# Allegro board Learn.brd (continued)
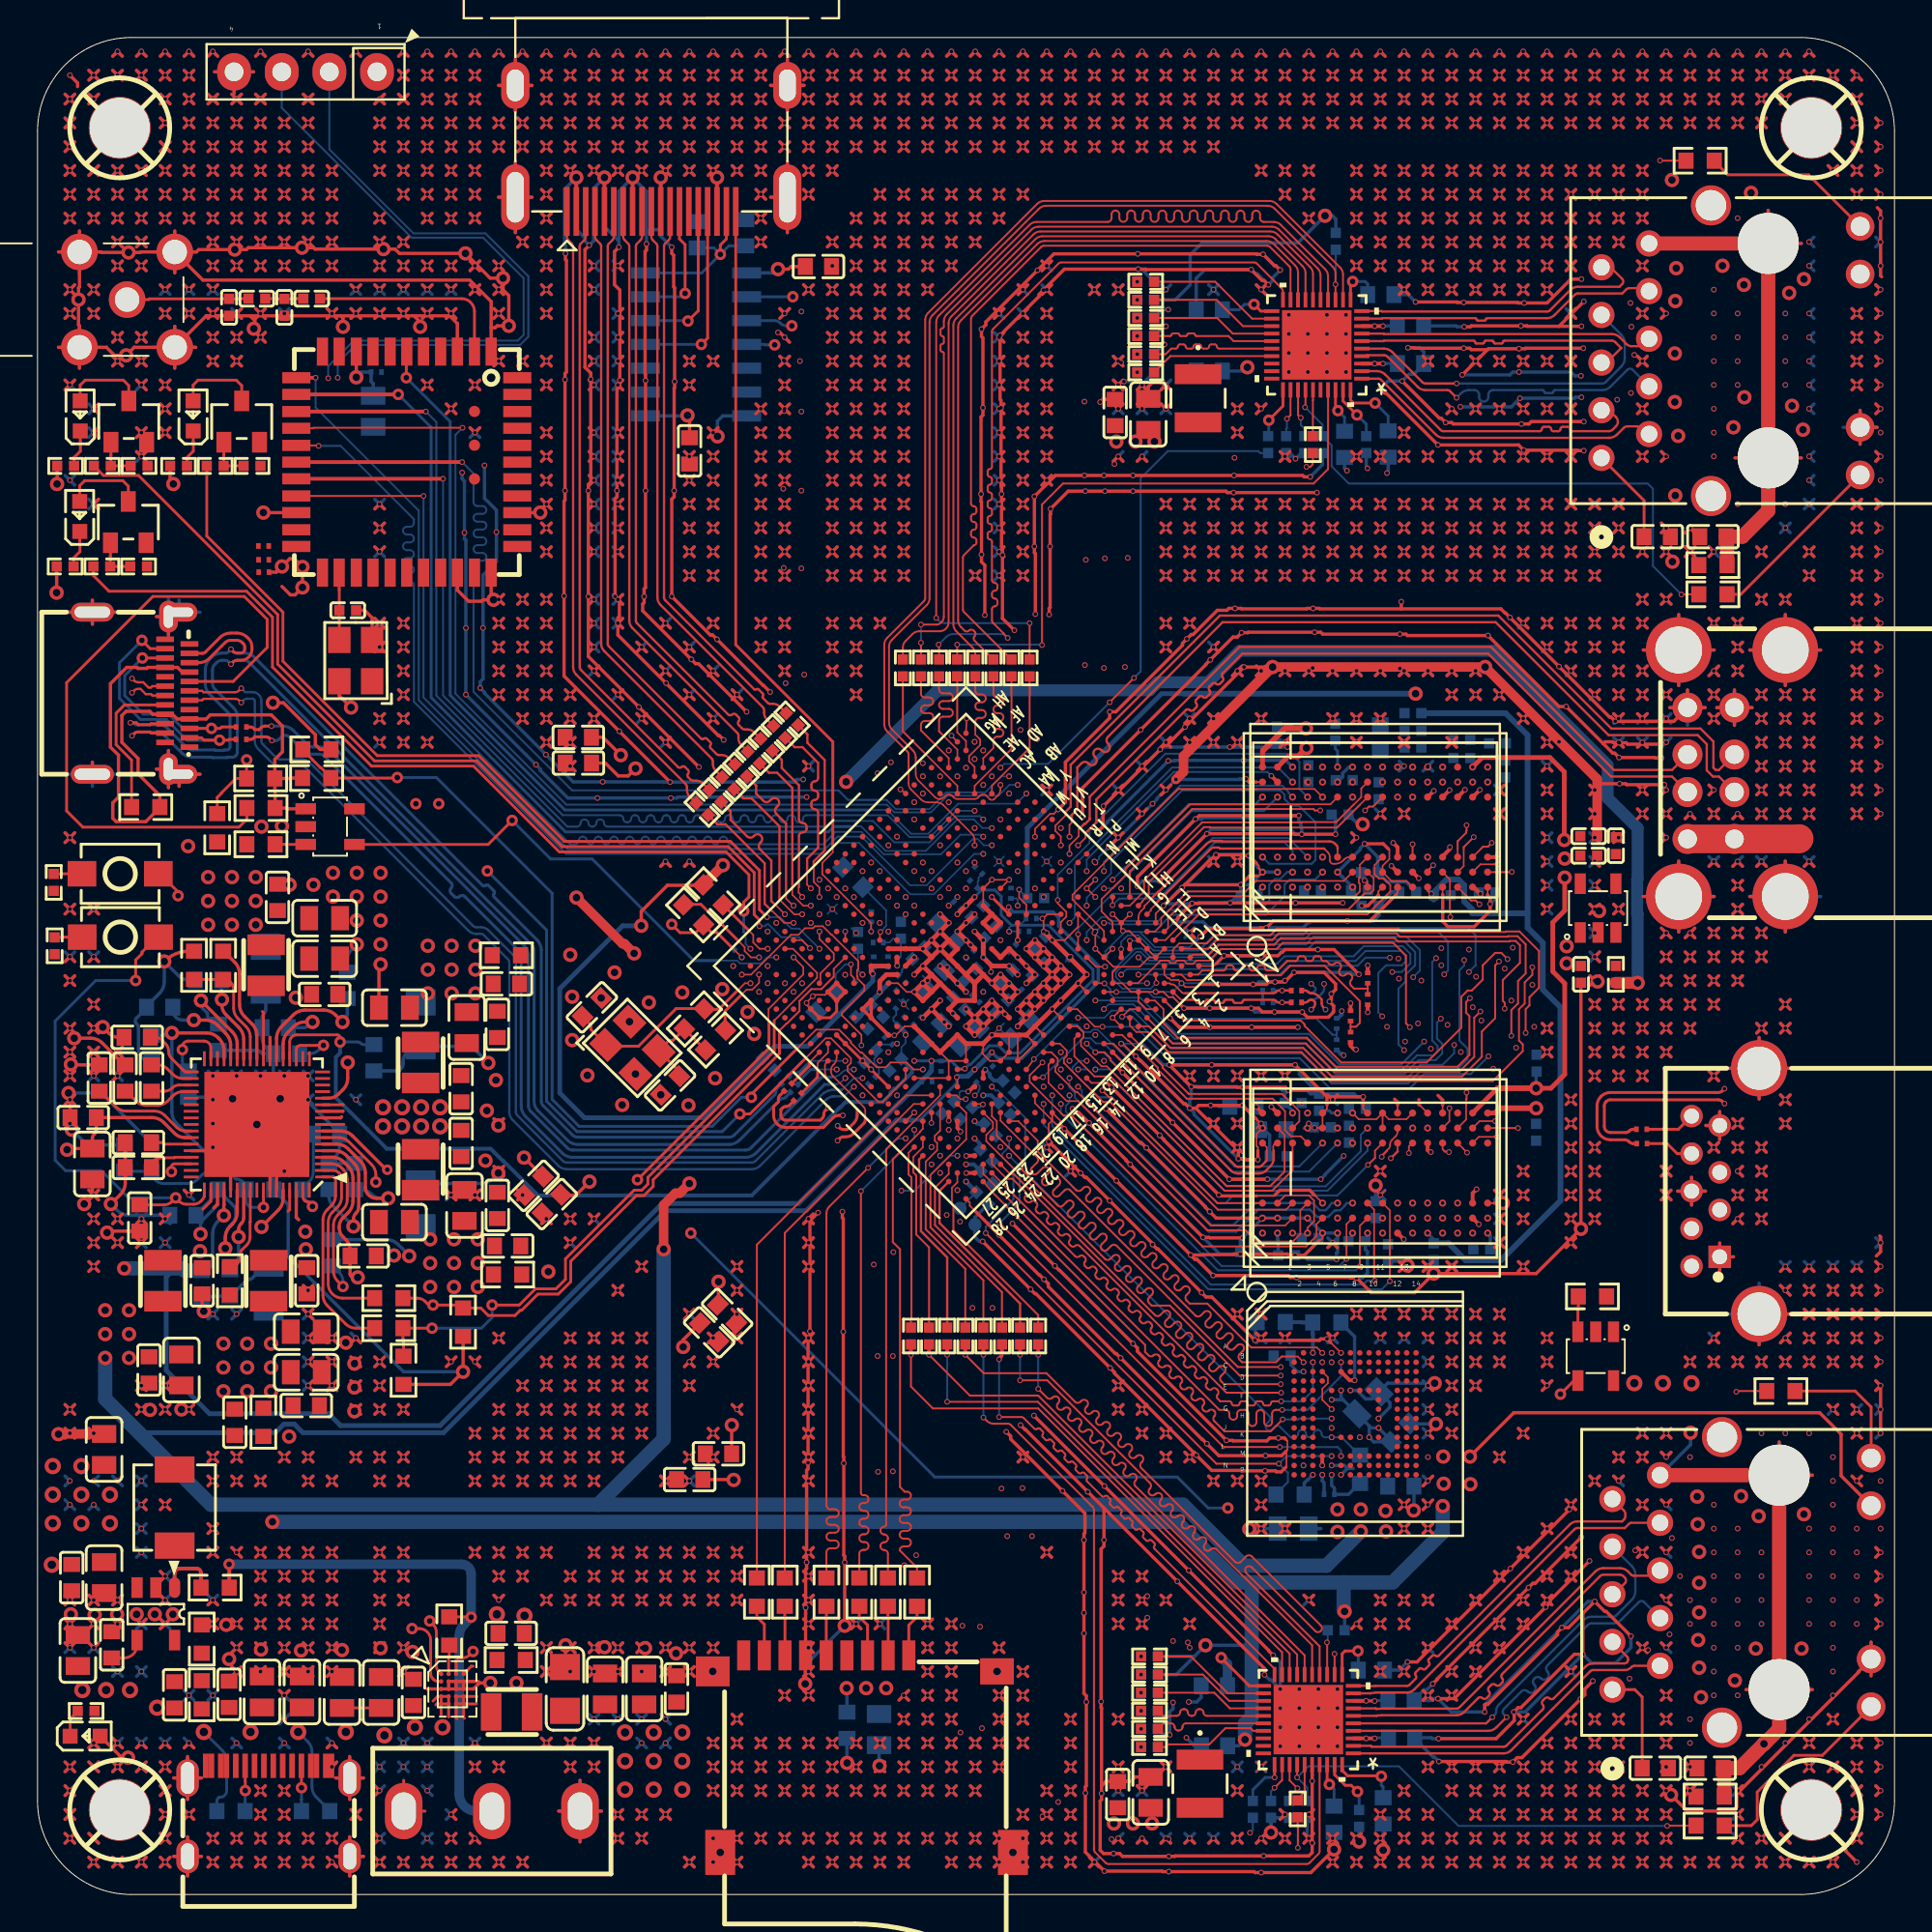
[diagram p0: board, top side]
## Placement (name value [footprint] x y rotation side) (continued)
R99  22R  [R0402]  59.07 81.14 180 top
R100  4.7K  [R0402]  59.07 83.07 0 bottom
R101  22R  [R0402]  59.07 83.07 180 top
R102  4.7K  [R0402]  59.07 84.04 0 bottom
R103  22R  [R0402]  59.07 84.04 180 top
R104  4.7K  [R0402]  59.07 85 0 bottom
R105  22R  [R0402]  59.07 85 180 top
R106  4.7K  [R0402]  59.07 85.97 0 bottom
R107  22R  [R0402]  59.07 85.97 180 top
R108  4.7K  [R0402]  59.07 82.11 0 bottom
R109  22R  [R0402]  59.07 82.11 180 top
R110  1.5K  [R0402]  69.2 88.12 90 bottom
R111  4.7K  [R0402]  66.56 77.28 270 bottom
R112  4.7K  [R0402]  67.53 77.28 270 bottom
R113  4.7K  [R0402]  68.49 77.28 270 bottom
R114  22R  [R0402]  67.98 77.28 270 top
R115  2.49K  [R0402]  70.83 77.28 270 bottom
R116  0R  [R0402]  65.59 77.28 270 bottom
R117  470R  [R0603]  89.31 69.3 0 top
R118  22R  [R0603]  89.31 70.86 180 top
R119  470R  [R0603]  88.62 92.42 0 top
R120  2.2R  [R0402]  35.43 57.86 315 top
R121  2.2R  [R0402]  36.13 58.56 315 top
R122  2.2R  [R0402]  36.81 59.24 315 top
R123  2.2R  [R0402]  37.49 59.92 315 top
R124  2.2R  [R0402]  38.18 60.61 315 top
R125  2.2R  [R0402]  38.86 61.29 315 top
R126  2.2R  [R0402]  39.54 61.97 315 top
R127  2.2R  [R0402]  40.22 62.65 315 top
R128  1.62K  [R0603]  43.47 54.23 315 bottom
R129  5.1K  [R0603]  11.91 57.91 0 top
R130  5.1K  [R0603]  5.77 57.96 0 top
R131  4.7K  [R0603]  11.91 55.98 180 top
R132  4.7K  [R0603]  82.88 31.88 0 top
R133  10K  [R0603]  14.88 59.51 180 top
R134  10K  [R0603]  14.89 61.04 0 top
R135  10K  [R0603]  11.9 59.49 0 top
R136  10K  [R0603]  9.58 56.86 270 top
R137  1K  [R0402]  1.47 70.79 0 top
R138  1K  [R0402]  7.52 76.15 0 top
R139  10K  [R0402]  3.43 70.79 0 top
R140  10K  [R0402]  9.47 76.15 0 top
R141  51K  [R0402]  5.39 70.79 0 top
R142  51K  [R0402]  11.43 76.15 0 top
R143  1K  [R0402]  1.5 76.15 0 top
R144  10K  [R0402]  3.45 76.15 0 top
R145  51K  [R0402]  5.41 76.15 0 top
R146  10K  [R0402]  0.86 53.95 90 top
R147  10K  [R0402]  0.91 50.57 90 top
SW1  SW KEY-SPDT  [KEY_3P]  24.22 4.45 0 top
SW2  KEY  [KEY_SMD_3X4X2]  4.4 54.41 0 top
SW3  KEY  [KEY_SMD_3X4X2]  4.42 51.03 0 top
TP1  T POINT R  [TP_0R70]  49.17 36.57 180 bottom
TP2  T POINT R  [TP_0R70]  49.97 35.71 180 bottom
U1  Type_C_16P  [USBSMD16P]  12.19 4.45 0 top
U2  SY8089  [SOT23-5]  7.31 16.36 270 top
U3  TCS4525  [CSP20_1R96X1R56X0R66]  22.11 10.96 0 top
U4  PMIC_RK809  [QFN68_7R00X7R00X0R80_T]  11.69 41.05 180 top
U5  SOC_RK3568  [BGA636_1]  49.49 49.49 225 top
U6  DDR4_16bit_SDP  [FBGA96_14R00X11R00X1R20]  71.3 56.9 90 top
U7  DDR4_16bit_SDP  [FBGA96_14R00X11R00X1R20]  71.3 38.45 90 top
U8  PT5108E23E-25  [SOT_23_5]  83.19 52.58 270 top
U9  EMMC_153_2L  [BGA153_13RX11R5X0R9_2L]  70.23 25.62 0 top
U10  MiniSD  [MINISD]  43.99 7.49 270 top
U11  ETH_RTL8211  [QFN40_5R00X5R00X0R80_T]  67.74 9.32 180 top
U12  HR911130A  [RJ45_HR911130A]  83.95 10.92 90 top
U13  ETH_RTL8211  [QFN40_5R00X5R00X0R80_T]  68.19 82.6 180 top
U14  HR911130A  [RJ45_HR911130A]  83.36 76.58 90 top
U15  MODULE_AP6XXX  [MD44_AP6XXX]  19.68 76.35 270 top
U16  TXS0104  [TSSOP14]  35.1 82.63 180 bottom
U17  Type_C_24P  [USBSMD24P]  5.51 64.03 270 top
U18  SWITCH_SY6280  [SOT_23_5]  15.6 56.92 180 top
U19  Type_A*2_4*2  [USB_A_2]  90.32 59.77 270 top
U20  SWITCH_SY6280  [SOT_23_5]  83.06 28.69 90 top
U21  Type_A_9P  [USB_A_9P]  89.97 37.49 90 top
U22  -  [KH-SMA]  2.24 82.47 0 top
Y1  24MHZ  [SMD3225]  31.71 45.13 315 top
Y2  oscillator  [SMD3225]  16.96 65.77 90 top

## Library data of the parts
C1-C96 C141-C232 = CAPACITOR NON-POL
C97-C140 = CAP NP
J1 = HDMI_TYPE_A_0
J2 = HEADER 4_1
L1-L7 = INDUCTOR: Tolerance: .TOL; User Part Number: .PARTNO
L8 L9 = INDUCTOR: User Part Number: PN; Tolerance: TOL
LED1-LED4 = LED: Tolerance: .TOL; User Part Number: .PARTNO
M1-M4 = M: Tolerance: .TOL; User Part Number: .PARTNO
Q1-Q3 = NPN
R1 R2 R4-R8 R11 R12 R15 R16 R18-R22 R24 R25 R43-R59 R87-R89 R117-R119 R128-R136 = R: Tolerance: .TOL; User Part Number: .PARTNO
R3 R27-R42 R137-R147 = RESISTOR
R26 R60-R86 R90-R116 R120-R127 = R
SW1 = SW KEY-SPDT_0: Tolerance: .TOL; User Part Number: .PARTNO
SW2 SW3 = SW KEY-SPST: Tolerance: .TOL; User Part Number: .PARTNO
TP1 TP2 = T POINT R
U1 = Type_C_16P: Tolerance: .TOL; User Part Number: .PARTNO
U2 = SY8089
U3 = TCS4525
U4 = PMIC_RK809
U5 = SOC_RK3568
U6 U7 = DDR4_2
U8 = LDO_PT5108: Tolerance: .TOL; User Part Number: .PARTNO
U9 = EMMC_153_2L
U10 = MiniSD: Tolerance: .TOL; User Part Number: .PARTNO
U11 U13 = ETH_RTL8211: User Part Number: PN; Tolerance: TOL
U12 U14 = HR911130A: User Part Number: PN; Tolerance: TOL
U15 = MODULE_AP6XXX: Tolerance: .TOL; User Part Number: .PARTNO
U16 = TXS0104: Tolerance: TOL; User Part Number: PN
U17 = Type_C_1: Tolerance: .TOL; User Part Number: .PARTNO
U18 U20 = SWITCH_SY6280: Tolerance: .TOL; User Part Number: .PARTNO
U19 = Type_A*2_4*2: Tolerance: .TOL; User Part Number: .PARTNO
U21 = Type_A_9P: Tolerance: .TOL; User Part Number: .PARTNO
U22 = KH-SMA
Y1 = CRYSTAL1-4/SM_0: Tolerance: .TOL; User Part Number: .PARTNO
Y2 = oscillator: Tolerance: .TOL; User Part Number: .PARTNO

## Footprints (pads in the part's own frame, mm; a bottom-side part is the same pattern mirrored in y, then rotated)
BGA153_13RX11R5X0R9_2L
  round 0.3 smd: A2(-2.75,3.25) A3(-2.25,3.25) A4(-1.75,3.25) A5(-1.25,3.25) A6(-0.75,3.25) A7(-0.25,3.25) A8(0.25,3.25) A9(0.75,3.25) A10(1.25,3.25) A11(1.75,3.25) A12(2.25,3.25) A13(2.75,3.25) A14(3.25,3.25) B1(-3.25,2.75) B2(-2.75,2.75) B3(-2.25,2.75) B4(-1.75,2.75) B5(-1.25,2.75) B6(-0.75,2.75) B7(-0.25,2.75) B8(0.25,2.75) B9(0.75,2.75) B10(1.25,2.75) B11(1.75,2.75) B12(2.25,2.75) B13(2.75,2.75) B14(3.25,2.75) C1(-3.25,2.25) C2(-2.75,2.25) C3(-2.25,2.25) C4(-1.75,2.25) C6(-0.75,2.25) C7(-0.25,2.25) C8(0.25,2.25) C9(0.75,2.25) C10(1.25,2.25) C11(1.75,2.25) C12(2.25,2.25) C13(2.75,2.25) C14(3.25,2.25) D1(-3.25,1.75) D2(-2.75,1.75) D3(-2.25,1.75) D4(-1.75,1.75) D12(2.25,1.75) D13(2.75,1.75) D14(3.25,1.75) E1(-3.25,1.25) E2(-2.75,1.25) E3(-2.25,1.25) E5(-1.25,1.25) E6(-0.75,1.25) E7(-0.25,1.25) E8(0.25,1.25) E9(0.75,1.25) E10(1.25,1.25) E12(2.25,1.25) E13(2.75,1.25) E14(3.25,1.25) F1(-3.25,0.75) F2(-2.75,0.75) F3(-2.25,0.75) F5(-1.25,0.75) F10(1.25,0.75) F12(2.25,0.75) F13(2.75,0.75) F14(3.25,0.75) G1(-3.25,0.25) G2(-2.75,0.25) G3(-2.25,0.25) G5(-1.25,0.25) G10(1.25,0.25) G12(2.25,0.25) G13(2.75,0.25) G14(3.25,0.25) H1(-3.25,-0.25) H2(-2.75,-0.25) H3(-2.25,-0.25) H5(-1.25,-0.25) H10(1.25,-0.25) H12(2.25,-0.25) H13(2.75,-0.25) H14(3.25,-0.25) J1(-3.25,-0.75) J2(-2.75,-0.75) J3(-2.25,-0.75) J5(-1.25,-0.75) J10(1.25,-0.75) J12(2.25,-0.75) J13(2.75,-0.75) J14(3.25,-0.75) K1(-3.25,-1.25) K2(-2.75,-1.25) K3(-2.25,-1.25) K5(-1.25,-1.25) K6(-0.75,-1.25) K7(-0.25,-1.25) K8(0.25,-1.25) K9(0.75,-1.25) K10(1.25,-1.25) K12(2.25,-1.25) K13(2.75,-1.25) K14(3.25,-1.25) L1(-3.25,-1.75) L2(-2.75,-1.75) L3(-2.25,-1.75) L12(2.25,-1.75) L13(2.75,-1.75) L14(3.25,-1.75) M1(-3.25,-2.25) M2(-2.75,-2.25) M3(-2.25,-2.25) M4(-1.75,-2.25) M5(-1.25,-2.25) M6(-0.75,-2.25) M7(-0.25,-2.25) M8(0.25,-2.25) M9(0.75,-2.25) M10(1.25,-2.25) M11(1.75,-2.25) M12(2.25,-2.25) M13(2.75,-2.25) M14(3.25,-2.25) N1(-3.25,-2.75) N2(-2.75,-2.75) N3(-2.25,-2.75) N4(-1.75,-2.75) N5(-1.25,-2.75) N6(-0.75,-2.75) N7(-0.25,-2.75) N8(0.25,-2.75) N9(0.75,-2.75) N10(1.25,-2.75) N11(1.75,-2.75) N12(2.25,-2.75) N13(2.75,-2.75) N14(3.25,-2.75) P1(-3.25,-3.25) P2(-2.75,-3.25) P3(-2.25,-3.25) P4(-1.75,-3.25) P5(-1.25,-3.25) P6(-0.75,-3.25) P7(-0.25,-3.25) P8(0.25,-3.25) P9(0.75,-3.25) P10(1.25,-3.25) P11(1.75,-3.25) P12(2.25,-3.25) P13(2.75,-3.25) P14(3.25,-3.25)
BGA636_1
  round 0.3 smd: A1(-8.775,8.775) A2(-8.125,8.775) A3(-7.475,8.775) A4(-6.825,8.775) A5(-6.175,8.775) A6(-5.525,8.775) A7(-4.875,8.775) A8(-4.225,8.775) A9(-3.575,8.775) A10(-2.925,8.775) A11(-2.275,8.775) A12(-1.625,8.775) A13(-0.975,8.775) A14(-0.325,8.775) A15(0.325,8.775) A16(0.975,8.775) A17(1.625,8.775) A18(2.275,8.775) A19(2.925,8.775) A20(3.575,8.775) A21(4.225,8.775) A22(4.875,8.775) A23(5.525,8.775) A24(6.175,8.775) A25(6.825,8.775) A26(7.475,8.775) A27(8.125,8.775) A28(8.775,8.775) AA1(-8.775,-4.225) AA2(-8.125,-4.225) AA3(-7.475,-4.225) AA4(-6.825,-4.225) AA5(-6.175,-4.225) AA6(-5.525,-4.225) AA7(-4.875,-4.225) AA9(-3.575,-4.225) AA11(-2.275,-4.225) AA12(-1.625,-4.225) AA14(-0.325,-4.225) AA15(0.325,-4.225) AA17(1.625,-4.225) AA18(2.275,-4.225) AA20(3.575,-4.225) AA22(4.875,-4.225) AA23(5.525,-4.225) AA24(6.175,-4.225) AA25(6.825,-4.225) AA26(7.475,-4.225) AA27(8.125,-4.225) AA28(8.775,-4.225) AB1(-8.775,-4.875) AB2(-8.125,-4.875) AB5(-6.175,-4.875) AB6(-5.525,-4.875) AB8(-4.225,-4.875) AB9(-3.575,-4.875) AB11(-2.275,-4.875) AB12(-1.625,-4.875) AB14(-0.325,-4.875) AB15(0.325,-4.875) AB17(1.625,-4.875) AB18(2.275,-4.875) AB20(3.575,-4.875) AB21(4.225,-4.875) AB23(5.525,-4.875) AB24(6.175,-4.875) AB27(8.125,-4.875) AB28(8.775,-4.875) AC1(-8.775,-5.525) AC2(-8.125,-5.525) AC3(-7.475,-5.525) AC4(-6.825,-5.525) AC5(-6.175,-5.525) AC7(-4.875,-5.525) AC8(-4.225,-5.525) AC9(-3.575,-5.525) AC11(-2.275,-5.525) AC12(-1.625,-5.525) AC14(-0.325,-5.525) AC15(0.325,-5.525) AC17(1.625,-5.525) AC18(2.275,-5.525) AC20(3.575,-5.525) AC21(4.225,-5.525) AC22(4.875,-5.525) AC24(6.175,-5.525) AC25(6.825,-5.525) AC26(7.475,-5.525) AC27(8.125,-5.525) AC28(8.775,-5.525) AD1(-8.775,-6.175) AD2(-8.125,-6.175) AD3(-7.475,-6.175) AD4(-6.825,-6.175) AD6(-5.525,-6.175) AD7(-4.875,-6.175) AD8(-4.225,-6.175) AD9(-3.575,-6.175) AD11(-2.275,-6.175) AD12(-1.625,-6.175) AD14(-0.325,-6.175) AD15(0.325,-6.175) AD17(1.625,-6.175) AD18(2.275,-6.175) AD20(3.575,-6.175) AD21(4.225,-6.175) AD22(4.875,-6.175) AD23(5.525,-6.175) AD25(6.825,-6.175) AD26(7.475,-6.175) AD27(8.125,-6.175) AD28(8.775,-6.175) AE1(-8.775,-6.825) AE2(-8.125,-6.825) AE3(-7.475,-6.825) AE5(-6.175,-6.825) AE6(-5.525,-6.825) AE8(-4.225,-6.825) AE9(-3.575,-6.825) AE11(-2.275,-6.825) AE12(-1.625,-6.825) AE14(-0.325,-6.825) AE15(0.325,-6.825) AE17(1.625,-6.825) AE18(2.275,-6.825) AE20(3.575,-6.825) AE21(4.225,-6.825) AE23(5.525,-6.825) AE24(6.175,-6.825) AE26(7.475,-6.825) AE27(8.125,-6.825) AE28(8.775,-6.825) AF1(-8.775,-7.475) AF2(-8.125,-7.475) AF3(-7.475,-7.475) AF4(-6.825,-7.475) AF5(-6.175,-7.475) AF6(-5.525,-7.475) AF8(-4.225,-7.475) AF9(-3.575,-7.475) AF11(-2.275,-7.475) AF12(-1.625,-7.475) AF14(-0.325,-7.475) AF15(0.325,-7.475) AF17(1.625,-7.475) AF18(2.275,-7.475) AF20(3.575,-7.475) AF21(4.225,-7.475) AF23(5.525,-7.475) AF24(6.175,-7.475) AF25(6.825,-7.475) AF26(7.475,-7.475) AF27(8.125,-7.475) AF28(8.775,-7.475) AG1(-8.775,-8.125) AG2(-8.125,-8.125) AG3(-7.475,-8.125) AG4(-6.825,-8.125) AG5(-6.175,-8.125) AG6(-5.525,-8.125) AG7(-4.875,-8.125) AG8(-4.225,-8.125) AG9(-3.575,-8.125) AG10(-2.925,-8.125) AG11(-2.275,-8.125) AG12(-1.625,-8.125) AG13(-0.975,-8.125) AG14(-0.325,-8.125) AG15(0.325,-8.125) AG16(0.975,-8.125) AG17(1.625,-8.125) AG18(2.275,-8.125) AG19(2.925,-8.125) AG20(3.575,-8.125) AG21(4.225,-8.125) AG22(4.875,-8.125) AG23(5.525,-8.125) AG24(6.175,-8.125) AG25(6.825,-8.125) AG26(7.475,-8.125) AG27(8.125,-8.125) AG28(8.775,-8.125) AH1(-8.775,-8.775) AH2(-8.125,-8.775) AH3(-7.475,-8.775) AH4(-6.825,-8.775) AH5(-6.175,-8.775) AH6(-5.525,-8.775) AH7(-4.875,-8.775) AH8(-4.225,-8.775) AH9(-3.575,-8.775) AH10(-2.925,-8.775) AH11(-2.275,-8.775) AH12(-1.625,-8.775) AH13(-0.975,-8.775) AH14(-0.325,-8.775) AH15(0.325,-8.775) AH16(0.975,-8.775) AH17(1.625,-8.775) AH18(2.275,-8.775) AH19(2.925,-8.775) AH20(3.575,-8.775) AH21(4.225,-8.775) AH22(4.875,-8.775) AH23(5.525,-8.775) AH24(6.175,-8.775) AH25(6.825,-8.775) AH26(7.475,-8.775) AH27(8.125,-8.775) AH28(8.775,-8.775) B1(-8.775,8.125) B2(-8.125,8.125) B3(-7.475,8.125) B4(-6.825,8.125) B5(-6.175,8.125) B6(-5.525,8.125) B7(-4.875,8.125) B8(-4.225,8.125) B9(-3.575,8.125) B10(-2.925,8.125) B11(-2.275,8.125) B12(-1.625,8.125) B13(-0.975,8.125) B14(-0.325,8.125) B15(0.325,8.125) B16(0.975,8.125) B17(1.625,8.125) B18(2.275,8.125) B19(2.925,8.125) B20(3.575,8.125) B21(4.225,8.125) B22(4.875,8.125) B23(5.525,8.125) B24(6.175,8.125) B25(6.825,8.125) B26(7.475,8.125) B27(8.125,8.125) B28(8.775,8.125) C1(-8.775,7.475) C2(-8.125,7.475) C3(-7.475,7.475) C4(-6.825,7.475) C5(-6.175,7.475) C6(-5.525,7.475) C8(-4.225,7.475) C9(-3.575,7.475) C11(-2.275,7.475) C12(-1.625,7.475) C14(-0.325,7.475) C15(0.325,7.475) C17(1.625,7.475) C18(2.275,7.475) C20(3.575,7.475) C21(4.225,7.475) C23(5.525,7.475) C24(6.175,7.475) C25(6.825,7.475) C26(7.475,7.475) C27(8.125,7.475) C28(8.775,7.475) D1(-8.775,6.825) D2(-8.125,6.825) D3(-7.475,6.825) D5(-6.175,6.825) D6(-5.525,6.825) D8(-4.225,6.825) D9(-3.575,6.825) D11(-2.275,6.825) D12(-1.625,6.825) D14(-0.325,6.825) D15(0.325,6.825) D17(1.625,6.825) D18(2.275,6.825) D20(3.575,6.825) D21(4.225,6.825) D23(5.525,6.825) D24(6.175,6.825) D26(7.475,6.825) D27(8.125,6.825) D28(8.775,6.825) E1(-8.775,6.175) E2(-8.125,6.175) E3(-7.475,6.175) E4(-6.825,6.175) E6(-5.525,6.175) E7(-4.875,6.175) E8(-4.225,6.175) E9(-3.575,6.175) E11(-2.275,6.175) E12(-1.625,6.175) E14(-0.325,6.175) E15(0.325,6.175) E17(1.625,6.175) E18(2.275,6.175) E20(3.575,6.175) E21(4.225,6.175) E22(4.875,6.175) E23(5.525,6.175) E25(6.825,6.175) E26(7.475,6.175) E27(8.125,6.175) E28(8.775,6.175) F1(-8.775,5.525) F2(-8.125,5.525) F3(-7.475,5.525) F4(-6.825,5.525) F5(-6.175,5.525) F7(-4.875,5.525) F8(-4.225,5.525) F9(-3.575,5.525) F11(-2.275,5.525) F12(-1.625,5.525) F14(-0.325,5.525) F15(0.325,5.525) F17(1.625,5.525) F18(2.275,5.525) F20(3.575,5.525) F21(4.225,5.525) F22(4.875,5.525) F24(6.175,5.525) F25(6.825,5.525) F26(7.475,5.525) F27(8.125,5.525) F28(8.775,5.525) G1(-8.775,4.875) G2(-8.125,4.875) G5(-6.175,4.875) G6(-5.525,4.875) G8(-4.225,4.875) G9(-3.575,4.875) G11(-2.275,4.875) G12(-1.625,4.875) G14(-0.325,4.875) G15(0.325,4.875) G17(1.625,4.875) G18(2.275,4.875) G20(3.575,4.875) G21(4.225,4.875) G23(5.525,4.875) G24(6.175,4.875) G27(8.125,4.875) G28(8.775,4.875) H1(-8.775,4.225) H2(-8.125,4.225) H3(-7.475,4.225) H4(-6.825,4.225) H5(-6.175,4.225) H6(-5.525,4.225) H7(-4.875,4.225) H9(-3.575,4.225) H11(-2.275,4.225) H12(-1.625,4.225) H14(-0.325,4.225) H15(0.325,4.225) H17(1.625,4.225) H18(2.275,4.225) H20(3.575,4.225) H22(4.875,4.225) H23(5.525,4.225) H24(6.175,4.225) H25(6.825,4.225) H26(7.475,4.225) H27(8.125,4.225) H28(8.775,4.225) J1(-8.775,3.575) J2(-8.125,3.575) J3(-7.475,3.575) J4(-6.825,3.575) J5(-6.175,3.575) J6(-5.525,3.575) J7(-4.875,3.575) J8(-4.225,3.575) J9(-3.575,3.575) J11(-2.275,3.575) J12(-1.625,3.575) J14(-0.325,3.575) J15(0.325,3.575) J17(1.625,3.575) J18(2.275,3.575) J20(3.575,3.575) J21(4.225,3.575) J22(4.875,3.575) J23(5.525,3.575) J24(6.175,3.575) J25(6.825,3.575) J26(7.475,3.575) J27(8.125,3.575) J28(8.775,3.575) K1(-8.775,2.925) K2(-8.125,2.925) K10(-2.925,2.925) K11(-2.275,2.925) K12(-1.625,2.925) K13(-0.975,2.925) K14(-0.325,2.925) K15(0.325,2.925) K16(0.975,2.925) K17(1.625,2.925) K18(2.275,2.925) K19(2.925,2.925) K27(8.125,2.925) K28(8.775,2.925) L1(-8.775,2.275) L2(-8.125,2.275) L3(-7.475,2.275) L4(-6.825,2.275) L5(-6.175,2.275) L6(-5.525,2.275) L7(-4.875,2.275) L8(-4.225,2.275) L9(-3.575,2.275) L10(-2.925,2.275) L11(-2.275,2.275) L12(-1.625,2.275) L13(-0.975,2.275) L14(-0.325,2.275) L15(0.325,2.275) L16(0.975,2.275) L17(1.625,2.275) L18(2.275,2.275) L19(2.925,2.275) L20(3.575,2.275) L21(4.225,2.275) L22(4.875,2.275) L23(5.525,2.275) L24(6.175,2.275) L25(6.825,2.275) L26(7.475,2.275) L27(8.125,2.275) L28(8.775,2.275) M1(-8.775,1.625) M2(-8.125,1.625) M3(-7.475,1.625) M4(-6.825,1.625) M5(-6.175,1.625) M6(-5.525,1.625) M7(-4.875,1.625) M8(-4.225,1.625) M9(-3.575,1.625) M10(-2.925,1.625) M11(-2.275,1.625) M12(-1.625,1.625) M13(-0.975,1.625) M14(-0.325,1.625) M15(0.325,1.625) M16(0.975,1.625) M17(1.625,1.625) M18(2.275,1.625) M19(2.925,1.625) M20(3.575,1.625) M21(4.225,1.625) M22(4.875,1.625) M23(5.525,1.625) M24(6.175,1.625) M25(6.825,1.625) M26(7.475,1.625) M27(8.125,1.625) M28(8.775,1.625) N1(-8.775,0.975) N2(-8.125,0.975) N10(-2.925,0.975) N11(-2.275,0.975) N12(-1.625,0.975) N13(-0.975,0.975) N14(-0.325,0.975) N15(0.325,0.975) N16(0.975,0.975) N17(1.625,0.975) N18(2.275,0.975) N19(2.925,0.975) N27(8.125,0.975) N28(8.775,0.975) P1(-8.775,0.325) P2(-8.125,0.325) P3(-7.475,0.325) P4(-6.825,0.325) P5(-6.175,0.325) P6(-5.525,0.325) P7(-4.875,0.325) P8(-4.225,0.325) P9(-3.575,0.325) P10(-2.925,0.325) P11(-2.275,0.325) P12(-1.625,0.325) P13(-0.975,0.325) P14(-0.325,0.325) P15(0.325,0.325) P16(0.975,0.325) P17(1.625,0.325) P18(2.275,0.325) P19(2.925,0.325) P20(3.575,0.325) P21(4.225,0.325) P22(4.875,0.325) P23(5.525,0.325) P24(6.175,0.325) P25(6.825,0.325) P26(7.475,0.325) P27(8.125,0.325) P28(8.775,0.325) R1(-8.775,-0.325) R2(-8.125,-0.325) R3(-7.475,-0.325) R4(-6.825,-0.325) R5(-6.175,-0.325) R6(-5.525,-0.325) R7(-4.875,-0.325) R8(-4.225,-0.325) R9(-3.575,-0.325) R10(-2.925,-0.325) R11(-2.275,-0.325) R12(-1.625,-0.325) R13(-0.975,-0.325) R14(-0.325,-0.325) R15(0.325,-0.325) R16(0.975,-0.325) R17(1.625,-0.325) R18(2.275,-0.325) R19(2.925,-0.325) R20(3.575,-0.325) R21(4.225,-0.325) R22(4.875,-0.325) R23(5.525,-0.325) R24(6.175,-0.325) R25(6.825,-0.325) R26(7.475,-0.325) R27(8.125,-0.325) R28(8.775,-0.325) T1(-8.775,-0.975) T2(-8.125,-0.975) T10(-2.925,-0.975) T11(-2.275,-0.975) T12(-1.625,-0.975) T13(-0.975,-0.975) T14(-0.325,-0.975) T15(0.325,-0.975) T16(0.975,-0.975) T17(1.625,-0.975) T18(2.275,-0.975) T19(2.925,-0.975) T27(8.125,-0.975) T28(8.775,-0.975) U1(-8.775,-1.625) U2(-8.125,-1.625) U3(-7.475,-1.625) U4(-6.825,-1.625) U5(-6.175,-1.625) U6(-5.525,-1.625) U7(-4.875,-1.625) U8(-4.225,-1.625) U9(-3.575,-1.625) U10(-2.925,-1.625) U11(-2.275,-1.625) U12(-1.625,-1.625) U13(-0.975,-1.625) U14(-0.325,-1.625) U15(0.325,-1.625) U16(0.975,-1.625) U17(1.625,-1.625) U18(2.275,-1.625) U19(2.925,-1.625) U20(3.575,-1.625) U21(4.225,-1.625) U22(4.875,-1.625) U23(5.525,-1.625) U24(6.175,-1.625) U25(6.825,-1.625) U26(7.475,-1.625) U27(8.125,-1.625) U28(8.775,-1.625) V1(-8.775,-2.275) V2(-8.125,-2.275) V3(-7.475,-2.275) V4(-6.825,-2.275) V5(-6.175,-2.275) V6(-5.525,-2.275) V7(-4.875,-2.275) V8(-4.225,-2.275) V9(-3.575,-2.275) V10(-2.925,-2.275) V11(-2.275,-2.275) V12(-1.625,-2.275) V13(-0.975,-2.275) V14(-0.325,-2.275) V15(0.325,-2.275) V16(0.975,-2.275) V17(1.625,-2.275) V18(2.275,-2.275) V19(2.925,-2.275) V20(3.575,-2.275) V21(4.225,-2.275) V22(4.875,-2.275) V23(5.525,-2.275) V24(6.175,-2.275) V25(6.825,-2.275) V26(7.475,-2.275) V27(8.125,-2.275) V28(8.775,-2.275) W1(-8.775,-2.925) W2(-8.125,-2.925) W10(-2.925,-2.925) W11(-2.275,-2.925) W12(-1.625,-2.925) W13(-0.975,-2.925) W14(-0.325,-2.925) W15(0.325,-2.925) W16(0.975,-2.925) W17(1.625,-2.925) W18(2.275,-2.925) W19(2.925,-2.925) W27(8.125,-2.925) W28(8.775,-2.925) Y1(-8.775,-3.575) Y2(-8.125,-3.575) Y3(-7.475,-3.575) Y4(-6.825,-3.575) Y5(-6.175,-3.575) Y6(-5.525,-3.575) Y7(-4.875,-3.575) Y8(-4.225,-3.575) Y9(-3.575,-3.575) Y11(-2.275,-3.575) Y12(-1.625,-3.575) Y14(-0.325,-3.575) Y15(0.325,-3.575) Y17(1.625,-3.575) Y18(2.275,-3.575) Y20(3.575,-3.575) Y21(4.225,-3.575) Y22(4.875,-3.575) Y23(5.525,-3.575) Y24(6.175,-3.575) Y25(6.825,-3.575) Y26(7.475,-3.575) Y27(8.125,-3.575) Y28(8.775,-3.575)
C0201
  rect 0.249x0.3 smd: 1(-0.275,0) 2(0.275,0)
C0402
  rect 0.549x0.549 smd: 1(-0.45,0) 2(0.45,0)
C0603
  rect 0.8x0.899 smd: 1(-0.7,0) 2(0.7,0)
C0805
  rect 0.95x1.3 smd: 1(-0.825,0) 2(0.825,0)
C1206
  rect 1.4x1.6 smd: 1(-1.168,0) 2(1.168,0)
CN4M_2R54_V_DIP
  oval 1.801x1.999 hole 1.001: 1(0,0) 2(2.54,0) 3(5.08,0) 4(7.62,0)
CSP20_1R96X1R56X0R66
  round 0.239 smd: A1(-0.6,0.8) A2(-0.2,0.8) A3(0.2,0.8) A4(0.6,0.8) B1(-0.6,0.4) B2(-0.2,0.4) B3(0.2,0.4) B4(0.6,0.4) C1(-0.6,0) C2(-0.2,0) C3(0.2,0) C4(0.6,0) D1(-0.6,-0.4) D2(-0.2,-0.4) D3(0.2,-0.4) D4(0.6,-0.4) E1(-0.6,-0.8) E2(-0.2,-0.8) E3(0.2,-0.8) E4(0.6,-0.8)
FBGA96_14R00X11R00X1R20
  round 0.381 smd: A1(-3.2,6) A2(-2.4,6) A3(-1.6,6) A7(1.6,6) A8(2.4,6) A9(3.2,6) B1(-3.2,5.2) B2(-2.4,5.2) B3(-1.6,5.2) B7(1.6,5.2) B8(2.4,5.2) B9(3.2,5.2) C1(-3.2,4.4) C2(-2.4,4.4) C3(-1.6,4.4) C7(1.6,4.4) C8(2.4,4.4) C9(3.2,4.4) D1(-3.2,3.6) D2(-2.4,3.6) D3(-1.6,3.6) D7(1.6,3.6) D8(2.4,3.6) D9(3.2,3.6) E1(-3.2,2.8) E2(-2.4,2.8) E3(-1.6,2.8) E7(1.6,2.8) E8(2.4,2.8) E9(3.2,2.8) F1(-3.2,2) F2(-2.4,2) F3(-1.6,2) F7(1.6,2) F8(2.4,2) F9(3.2,2) G1(-3.2,1.2) G2(-2.4,1.2) G3(-1.6,1.2) G7(1.6,1.2) G8(2.4,1.2) G9(3.2,1.2) H1(-3.2,0.4) H2(-2.4,0.4) H3(-1.6,0.4) H7(1.6,0.4) H8(2.4,0.4) H9(3.2,0.4) J1(-3.2,-0.4) J2(-2.4,-0.4) J3(-1.6,-0.4) J7(1.6,-0.4) J8(2.4,-0.4) J9(3.2,-0.4) K1(-3.2,-1.2) K2(-2.4,-1.2) K3(-1.6,-1.2) K7(1.6,-1.2) K8(2.4,-1.2) K9(3.2,-1.2) L1(-3.2,-2) L2(-2.4,-2) L3(-1.6,-2) L7(1.6,-2) L8(2.4,-2) L9(3.2,-2) M1(-3.2,-2.8) M2(-2.4,-2.8) M3(-1.6,-2.8) M7(1.6,-2.8) M8(2.4,-2.8) M9(3.2,-2.8) N1(-3.2,-3.6) N2(-2.4,-3.6) N3(-1.6,-3.6) N7(1.6,-3.6) N8(2.4,-3.6) N9(3.2,-3.6) P1(-3.2,-4.4) P2(-2.4,-4.4) P3(-1.6,-4.4) P7(1.6,-4.4) P8(2.4,-4.4) P9(3.2,-4.4) R1(-3.2,-5.2) R2(-2.4,-5.2) R3(-1.6,-5.2) R7(1.6,-5.2) R8(2.4,-5.2) R9(3.2,-5.2) T1(-3.2,-6) T2(-2.4,-6) T3(-1.6,-6) T7(1.6,-6) T8(2.4,-6) T9(3.2,-6)
HDMI_A
  rect 0.3x2.601 smd: 1(0,0) 2(0.5,0) 3(1,0) 4(1.5,0) 5(2,0) 6(2.5,0) 7(3,0) 8(3.5,0) 9(4,0) 10(4.5,0) 11(5,0) 12(5.5,0) 13(6,0) 14(6.5,0) 15(7,0) 16(7.5,0) 17(8,0) 18(8.5,0) 19(9,0)
  oval 1.501x3.5 hole 0.899x2.7: 20(11.75,0.76) 21(-2.75,0.76)
  oval 1.501x2.499 hole 0.899x1.699: 22(-2.75,6.72) 23(11.75,6.72)
IND_252010
  rect 1.1x1.999 smd: 1(1.092,0) 2(-1.092,0)
KEY_3P
  oval 1.999x3 hole 1.3x1.999: 1(-4.7,0) 2(0,0) 3(4.7,0)
KEY_SMD_3X4X2
  rect 1.529x1.359 smd: 1(-2.035,0) 2(2.035,0)
KH-SMA
  round 1.95 hole 1.3: 1(0,0) 2(5.08,0) 3(5.08,5.08) 4(0,5.08) 5(2.54,2.54)
L0420
  rect 1.4x2.121 smd: 1(2.028,0) 2(-2.028,0)
L2520
  rect 1.067x2.489 smd: 1(-1.283,0) 2(1.283,0)
LED0603
  rect 0.8x0.8 smd: 1(-0.851,-0.01) 2(0.749,-0.005)
M3
  round 3.302 hole 3.2: 1(-0.064,0.064)
MD44_AP6XXX
  rect 1.501x0.599 smd: 1(-5.889,4.496) 2(-5.889,3.607) 3(-5.889,2.692) 4(-5.889,1.803) 5(-5.889,0.889) 6(-5.889,0) 7(-5.889,-0.889) 8(-5.889,-1.803) 9(-5.889,-2.692) 10(-5.889,-3.607) 11(-5.889,-4.496) 23(5.889,-4.496) 24(5.889,-3.607) 25(5.889,-2.692) 26(5.889,-1.803) 27(5.889,-0.889) 28(5.889,0) 29(5.889,0.889) 30(5.889,1.803) 31(5.889,2.692) 32(5.889,3.607) 33(5.889,4.496)
  rect 0.599x1.501 smd: 12(-4.496,-5.889) 13(-3.607,-5.889) 14(-2.692,-5.889) 15(-1.803,-5.889) 16(-0.889,-5.889) 17(0,-5.889) 18(0.889,-5.889) 19(1.803,-5.889) 20(2.692,-5.889) 21(3.607,-5.889) 22(4.496,-5.889) 34(4.496,5.889) 35(3.607,5.889) 36(2.692,5.889) 37(1.803,5.889) 38(0.889,5.889) 39(0,5.889) 40(-0.889,5.889) 41(-1.803,5.889) 42(-2.692,5.889) 43(-3.607,5.889) 44(-4.496,5.889)
  round 0.599 smd: 45(-2.7,3.607) 46(-0.9,3.607) 47(0.9,3.607)
MINISD
  rect 1.6x0.701 smd: 1(-5.251,2.45) 2(-5.251,1.35) 3(-5.251,0.25) 4(-5.251,-0.85) 5(-5.251,-1.95) 6(-5.251,-3.05) 7(-5.251,-4.15) 8(-5.251,-5.25) 9(-5.251,-6.35)
  rect 1.6x1.801 smd: 10(-4.399,-8)
  rect 2.4x1.6 smd: 11(5.251,-7.6) 12(5.251,8)
  rect 1.4x1.801 smd: 13(-4.398,7.15)
QFN40_5R00X5R00X0R80_T
  rect 0.813x0.203 smd: 1(-2.4,1.8) 2(-2.4,1.4) 3(-2.4,1) 4(-2.4,0.6) 5(-2.4,0.2) 6(-2.4,-0.2) 7(-2.4,-0.6) 8(-2.4,-1) 9(-2.4,-1.4) 10(-2.4,-1.8) 21(2.4,-1.8) 22(2.4,-1.4) 23(2.4,-1) 24(2.4,-0.6) 25(2.4,-0.2) 26(2.4,0.2) 27(2.4,0.6) 28(2.4,1) 29(2.4,1.4) 30(2.4,1.8)
  rect 0.203x0.813 smd: 11(-1.8,-2.4) 12(-1.4,-2.4) 13(-1,-2.4) 14(-0.6,-2.4) 15(-0.2,-2.4) 16(0.2,-2.4) 17(0.6,-2.4) 18(1,-2.4) 19(1.4,-2.4) 20(1.8,-2.4) 31(1.8,2.4) 32(1.4,2.4) 33(1,2.4) 34(0.6,2.4) 35(0.2,2.4) 36(-0.2,2.4) 37(-0.6,2.4) 38(-1,2.4) 39(-1.4,2.4) 40(-1.8,2.4)
  rect 3.708x3.708 smd: 41(0,0)
QFN68_7R00X7R00X0R80_T
  oval 0.8x0.15 smd: 1(-3.5,2.799)
  rect 0.8x0.15 smd: 2(-3.5,2.451) 3(-3.5,2.101) 4(-3.5,1.75) 5(-3.5,1.4) 6(-3.5,1.049) 7(-3.5,0.701) 8(-3.5,0.351) 9(-3.5,0) 10(-3.5,-0.351) 11(-3.5,-0.701) 12(-3.5,-1.049) 13(-3.5,-1.4) 14(-3.5,-1.75) 15(-3.5,-2.101) 16(-3.5,-2.451) 17(-3.5,-2.799) 35(3.5,-2.799) 36(3.5,-2.451) 37(3.5,-2.101) 38(3.5,-1.75) 39(3.5,-1.4) 40(3.5,-1.049) 41(3.5,-0.701) 42(3.5,-0.351) 43(3.5,0) 44(3.5,0.351) 45(3.5,0.701) 46(3.5,1.049) 47(3.5,1.4) 48(3.5,1.75) 49(3.5,2.101) 50(3.5,2.451) 51(3.5,2.799)
  rect 0.15x0.8 smd: 18(-2.799,-3.5) 19(-2.451,-3.5) 20(-2.101,-3.5) 21(-1.75,-3.5) 22(-1.4,-3.5) 23(-1.049,-3.5) 24(-0.701,-3.5) 25(-0.351,-3.5) 26(0,-3.5) 27(0.351,-3.5) 28(0.701,-3.5) 29(1.049,-3.5) 30(1.4,-3.5) 31(1.75,-3.5) 32(2.101,-3.5) 33(2.451,-3.5) 34(2.799,-3.5) 52(2.799,3.5) 53(2.451,3.5) 54(2.101,3.5) 55(1.75,3.5) 56(1.4,3.5) 57(1.049,3.5) 58(0.701,3.5) 59(0.351,3.5) 60(0,3.5) 61(-0.351,3.5) 62(-0.701,3.5) 63(-1.049,3.5) 64(-1.4,3.5) 65(-1.75,3.5) 66(-2.101,3.5) 67(-2.451,3.5) 68(-2.799,3.5)
  rect 5.601x5.601 smd: 69(0,0)
R0201
  rect 0.249x0.3 smd: 1(-0.275,0) 2(0.275,0)
R0402
  rect 0.549x0.549 smd: 1(-0.45,0) 2(0.45,0)
R0603
  rect 0.808x0.864 smd: 1(-0.753,0) 2(0.753,0)
RJ45_HR911130A
  round 2.134 hole 1.626: (-2.03,-5.84) (13.46,-5.84)
  round 3.251 hole 3.251 unplated: (0,-8.89) (11.43,-8.89)
  round 1.524 hole 1.016: 11(-0.91,-13.79) 12(1.63,-13.79) 13(9.8,-13.79) 14(12.34,-13.79)
  round 1.397 hole 0.889: P1(0,0) P2(1.27,-2.54) P3(2.54,0) P4(3.81,-2.54) P5(5.08,0) P6(6.35,-2.54) P7(7.62,0) P8(8.89,-2.54) P9(10.16,0) P10(11.43,-2.54)
SMD3225
  rect 1.4x1.199 smd: 1(-1.1,-0.875) 2(1.1,-0.875) 3(1.1,0.875) 4(-1.1,0.875)
SOT23-5
  oval 1.1x0.599 smd: 1(0,0)
  rect 1.1x0.599 smd: 2(0,-1) 3(0,-2) 4(2.8,-2) 5(2.8,0)
SOT_23
  rect 0.8x1.1 smd: 1(-0.95,-1.1) 2(0.95,-1.1) 3(0,1.1)
SOT_23_5
  rect 1.1x0.599 smd: 1(1.3,-0.95) 2(1.3,0) 3(1.3,0.95) 4(-1.3,0.95) 5(-1.3,-0.95)
TP_0R70
  round 0.701 smd: 1(0,0)
TSSOP14
  rect 1.549x0.599 smd: 1(-2.7,3.81) 2(-2.7,2.54) 3(-2.7,1.27) 4(-2.7,0) 5(-2.7,-1.27) 6(-2.7,-2.54) 7(-2.7,-3.81) 8(2.7,-3.81) 9(2.7,-2.54) 10(2.7,-1.27) 11(2.7,0) 12(2.7,1.27) 13(2.7,2.54) 14(2.7,3.81)
USB_A_2
  round 1.6 hole 1.001: 1(3.5,-2.37) 2(1,-2.37) 3(-1,-2.37) 4(-3.5,-2.37) 5(3.5,0.13) 6(1,0.13) 7(-1,0.13) 8(-3.5,0.13)
  round 3.5 hole 2.499: 9(-6.57,2.84) 10(-6.57,-2.84) 11(6.57,-2.84) 12(6.57,2.84)
USB_A_9P
  rect 1.199x1.199 hole 0.8: 1(-3.5,0.3)
  round 1.199 hole 0.8: 2(-1,0.3) 3(1,0.3) 4(3.5,0.3) 5(4,1.8) 6(2,1.8) 7(0,1.8) 8(-2,1.8) 9(-4,1.8)
  round 3 hole 2.301: 10(-6.55,-1.8) 11(6.55,-1.8)
USBSMD16P
  oval 1.199x1.999 hole 0.701x1.699: 1(-4.193,1.765) 2(4.447,1.765)
  oval 1.199x1.801 hole 0.701x1.4: 3(-4.193,-2.415) 4(4.447,-2.415)
  rect 0.3x1.3 smd: A1(-3.223,2.415) A4(-2.423,2.415) A5(-1.123,2.415) A6(-0.123,2.415) A7(0.377,2.415) A8(1.377,2.415) A9(2.677,2.415) A12(3.477,2.415) B1(3.177,2.415) B4(2.377,2.415) B5(1.877,2.415) B6(0.877,2.415) B7(-0.623,2.415) B8(-1.623,2.415) B9(-2.123,2.415) B12(-2.923,2.415)
USBSMD24P
  rect 0.3x0.95 smd: A1(-2.625,2.587) A2(-2.125,2.587) A3(-1.625,2.587) A4(-1.125,2.587) A5(-0.625,2.587) A6(-0.125,2.587) A7(0.375,2.587) A8(0.875,2.587) A9(1.375,2.587) A10(1.875,2.587) A11(2.375,2.587) A12(2.875,2.587) B1(2.625,1.288) B2(2.125,1.288) B3(1.625,1.288) B4(1.125,1.288) B5(0.625,1.288) B6(0.125,1.288) B7(-0.375,1.288) B8(-0.875,1.288) B9(-1.375,1.288) B10(-1.875,1.288) B11(-2.375,1.288) B12(-2.875,1.288)
  oval 1.001x1.951 hole 0.5x1.501: C1(-4.318,2.032) C3(4.318,2.032)
  oval 1.699x1.001 hole 1.199x0.5: C2(-4.082,1.468) C4(4.046,1.468)
  oval 1.001x2.301 hole 0.599x1.9: C5(-4.32,-2.587) C6(4.32,-2.587)

## Nets
AVDD_0V9: C24.1 C147.1 C148.1 C217.1 C218.1 U4.21 U5.P11 U5.P22 U5.R8
GND_ETH0: C184.1 R87.1 U12.P10
GND_ETH1: C197.1 R118.1 U14.P10
GND_POWER: C1.1 C2.1 C3.1 C4.2 C5.2 C6.1 C7.1 C8.1 C10.2 C11.2 C12.2 C13.2 C14.2 C15.2 C16.2 C18.2 C19.1 C20.2 C21.2 C22.2 C23.1 C24.2 C25.2 C26.2 C27.2 C28.2 C29.2 C32.2 C33.2 C34.2 C35.2 C36.2 C37.2 C38.2 C39.1 C40.2 C41.1 C42.2 C43.2 C44.2 C45.2 C46.2 C47.2 C49.2 C50.2 C51.2 C52.2 C53.2 C54.2 C55.2 C56.2 C57.2 C58.2 C59.2 C60.1 C61.1 C62.2 C64.2 C65.2 C66.2 C67.2 C68.2 C69.2 C70.2 C71.2 C72.2 C73.2 C74.2 C75.2 C76.2 C77.2 C78.2 C79.2 C80.2 C81.2 C82.2 C83.2 C84.2 C85.2 C86.2 C87.2 C88.2 C89.2 C90.2 C91.2 C92.2 C93.2 C94.2 C95.2 C96.2 C98.2 C99.2 C100.2 C101.2 C102.2 C103.2 C104.2 C105.2 C106.2 C107.2 C108.2 C109.2 C110.2 C111.2 C112.2 C113.2 C114.2 C115.2 C116.2 C117.2 C118.2 C119.2 C120.2 C121.2 C122.2 C123.2 C124.2 C125.2 C126.2 C127.2 C128.2 C129.2 C130.2 C131.2 C132.2 C133.2 C134.2 C135.2 C136.2 C137.2 C138.2 C139.2 C140.1 C141.2 C142.2 C143.2 C144.2 C145.2 C146.2 C147.2 C148.2 C149.2 C150.2 C151.2 C152.2 C153.2 C154.2 C155.2 C156.2 C157.2 C158.2 C159.2 C160.2 C161.2 C162.2 C163.2 C164.2 C165.2 C166.2 C167.2 C168.1 C169.1 C170.1 C171.2 C172.2 C173.2 C174.2 C175.2 C176.2 C177.2 C178.2 C179.2 C180.2 C181.2 C182.2 C183.2 C184.2 C185.2 C186.2 C187.2 C188.2 C189.2 C190.2 C191.2 C192.2 C193.2 C194.2 C195.2 C196.2 C197.2 C198.2 C199.2 C200.2 C203.2 C204.1 C205.1 C206.2 C207.2 C208.2 C209.2 C210.2 C211.2 C212.2 C213.2 C214.2 C215.2 C216.2 C217.2 C218.2 C219.2 C220.2 C221.2 C222.2 C231.2 C232.2 J1.2 J1.5 J1.8 J1.11 J1.17 J1.20 J1.21 J1.22 J1.23 J2.4 LED1.2(CATHODE) Q1.2(EMITTER) Q2.2(EMITTER) Q3.2(EMITTER) R6.1 R18.2 R24.2 R26.2 R39.2 R40.2 R46.1 R50.1 R69.2 R70.2 R72.2 R78.2 R81.2 R82.2 R83.2 R85.2 R87.2 R98.2 R100.2 R102.2 R106.2 R108.2 R111.2 R112.2 R113.2 R115.2 R118.2 R128.1 R131.2 R132.2 R134.2 R136.2 R141.2 R142.2 R145.2 R146.1 R147.1 SW1.3(NO) TP2.1(TP) U1.1 U1.2 U1.3 U1.4 U1.A1 U1.A12 U1.B1 U1.B12 U2.2 U3.B2 U3.B3 U3.B4 U3.C1 U3.C2 U3.C3 U3.C4 U4.47 U4.56 U4.62 U4.63 U4.69 U5.A1 U5.A3 U5.A6 U5.A10 U5.A14 U5.A18 U5.A28 U5.AA4 U5.AA9 U5.AA12 U5.AA14 U5.AA15 U5.AA17 U5.AA23 U5.AA24 U5.AA26 U5.AB2 U5.AB6 U5.AB11 U5.AB12 U5.AB14 U5.AB15 U5.AB17 U5.AB24 U5.AC9 U5.AC11 U5.AC12 U5.AC15 U5.AC18 U5.AC25 U5.AC26 U5.AD3 U5.AD26 U5.AE6 U5.AE14 U5.AE17 U5.AE20 U5.AE21 U5.AE27 U5.AE28 U5.AF3 U5.AF9 U5.AF11 U5.AF12 U5.AF14 U5.AF15 U5.AF17 U5.AF18 U5.AF20 U5.AF21 U5.AF26 U5.AG5 U5.AG18 U5.AH1 U5.AH8 U5.AH18 U5.AH23 U5.AH28 U5.B5 U5.B9 U5.B12 U5.B16 U5.B23 U5.B26 U5.C3 U5.C6 U5.C8 U5.C9 U5.C11 U5.C12 U5.C14 U5.C15 U5.C17 U5.C18 U5.C25 U5.D2 U5.D3 U5.D11 U5.D28 U5.E3 U5.E7 U5.F1 U5.F3 U5.F9 U5.F12 U5.F14 U5.F15 U5.F17 U5.G5 U5.G6 U5.G8 U5.G9 U5.G11 U5.G12 U5.G14 U5.G15 U5.G17 U5.G18 U5.G24 U5.H2 U5.H3 U5.H6 U5.J3 U5.J5 U5.J8 U5.J17 U5.J18 U5.J20 U5.J22 U5.J26 U5.J27 U5.K1 U5.K11 U5.K12 U5.K13 U5.K14 U5.K19 U5.L3 U5.L5 U5.L8 U5.L11 U5.L13 U5.L14 U5.L19 U5.L20 U5.L21 U5.L24 U5.L26 U5.M2 U5.M3 U5.M6 U5.M8 U5.M11 U5.M13 U5.M14 U5.M16 U5.M18 U5.M21 U5.M26 U5.N1 U5.N11 U5.N12 U5.N14 U5.N15 U5.N17 U5.N18 U5.N28 U5.P3 U5.P6 U5.P12 U5.P14 U5.P15 U5.P17 U5.P21 U5.P26 U5.R3 U5.R6 U5.R10 U5.R11 U5.R14 U5.R15 U5.R17 U5.R18 U5.R19 U5.R23 U5.R26 U5.T10 U5.T11 U5.T14 U5.T15 U5.T17 U5.T18 U5.T19 U5.U1 U5.U6 U5.U7 U5.U8 U5.U10 U5.U14 U5.U15 U5.U16 U5.U17 U5.U18 U5.U23 U5.U26 U5.V3 U5.V8 U5.V9 U5.V13 U5.V14 U5.V15 U5.V16 U5.V20 U5.V22 U5.V23 U5.V26 U5.W10 U5.W11 U5.W12 U5.W13 U5.W17 U5.Y8 U5.Y9 U5.Y11 U5.Y12 U5.Y18 U5.Y23 U5.Y24 U5.Y26 U6.A2 U6.A8 U6.B2 U6.C9 U6.D2 U6.D8 U6.E1 U6.E3 U6.E8 U6.E9 U6.F1 U6.G8 U6.H1 U6.H9 U6.K1 U6.K9 U6.M9 U6.N1 U6.N9 U6.T1 U6.T3 U7.A2 U7.A8 U7.B2 U7.C9 U7.D2 U7.D8 U7.E1 U7.E3 U7.E8 U7.E9 U7.F1 U7.G8 U7.H1 U7.H9 U7.K1 U7.K9 U7.M9 U7.N1 U7.N9 U7.T1 U7.T3 U8.2 U9.A6 U9.C4 U9.E7 U9.G5 U9.H10 U9.J5 U9.K8 U9.N2 U9.N5 U9.P4 U9.P6 U10.6 U10.10 U10.11 U10.12 U10.13 U11.36 U11.41 U12.12 U13.36 U13.41 U14.12 U15.1 U15.3 U15.20 U15.31 U15.33 U15.36 U16.7 U17.A1 U17.A12 U17.B1 U17.B12 U17.C1 U17.C2 U17.C3 U17.C4 U17.C5 U17.C6 U18.2 U19.4 U19.8 U19.9 U19.10 U19.11 U19.12 U20.2 U21.4 U21.7 U21.10 U21.11 U22.1 U22.2 U22.3 U22.4 Y1.2 Y1.4 Y2.2
VCC3V3_PMU: C37.1 C142.1 C149.1 C150.1 R25.1 R42.1 R47.1 R48.2 R49.2 U4.31 U5.W19 U5.Y20
VCC3V3_SD: C53.1 C172.1 C173.1 U4.58 U10.4(VCC)
VCC25_DDR: C117.1 C118.1 C119.1 C120.1 C121.1 C122.1 U6.B1 U6.R9 U7.B1 U7.R9 U8.5(OUT)
VCC_1V8: C56.1 C57.1 C163.1 C164.1 C165.1 C166.1 C167.1 C199.1 C200.1 C206.1 L7.2 R19.2 R51.1 R52.1 R53.1 U5.H18 U5.H20 U5.H22 U5.R9 U5.U9 U9.C6 U9.M4 U9.N4 U9.P3 U9.P5 U15.22
